# Altium PCB IMX6 DEV BOARD.PcbDoc (part 1 of 12) (continued)
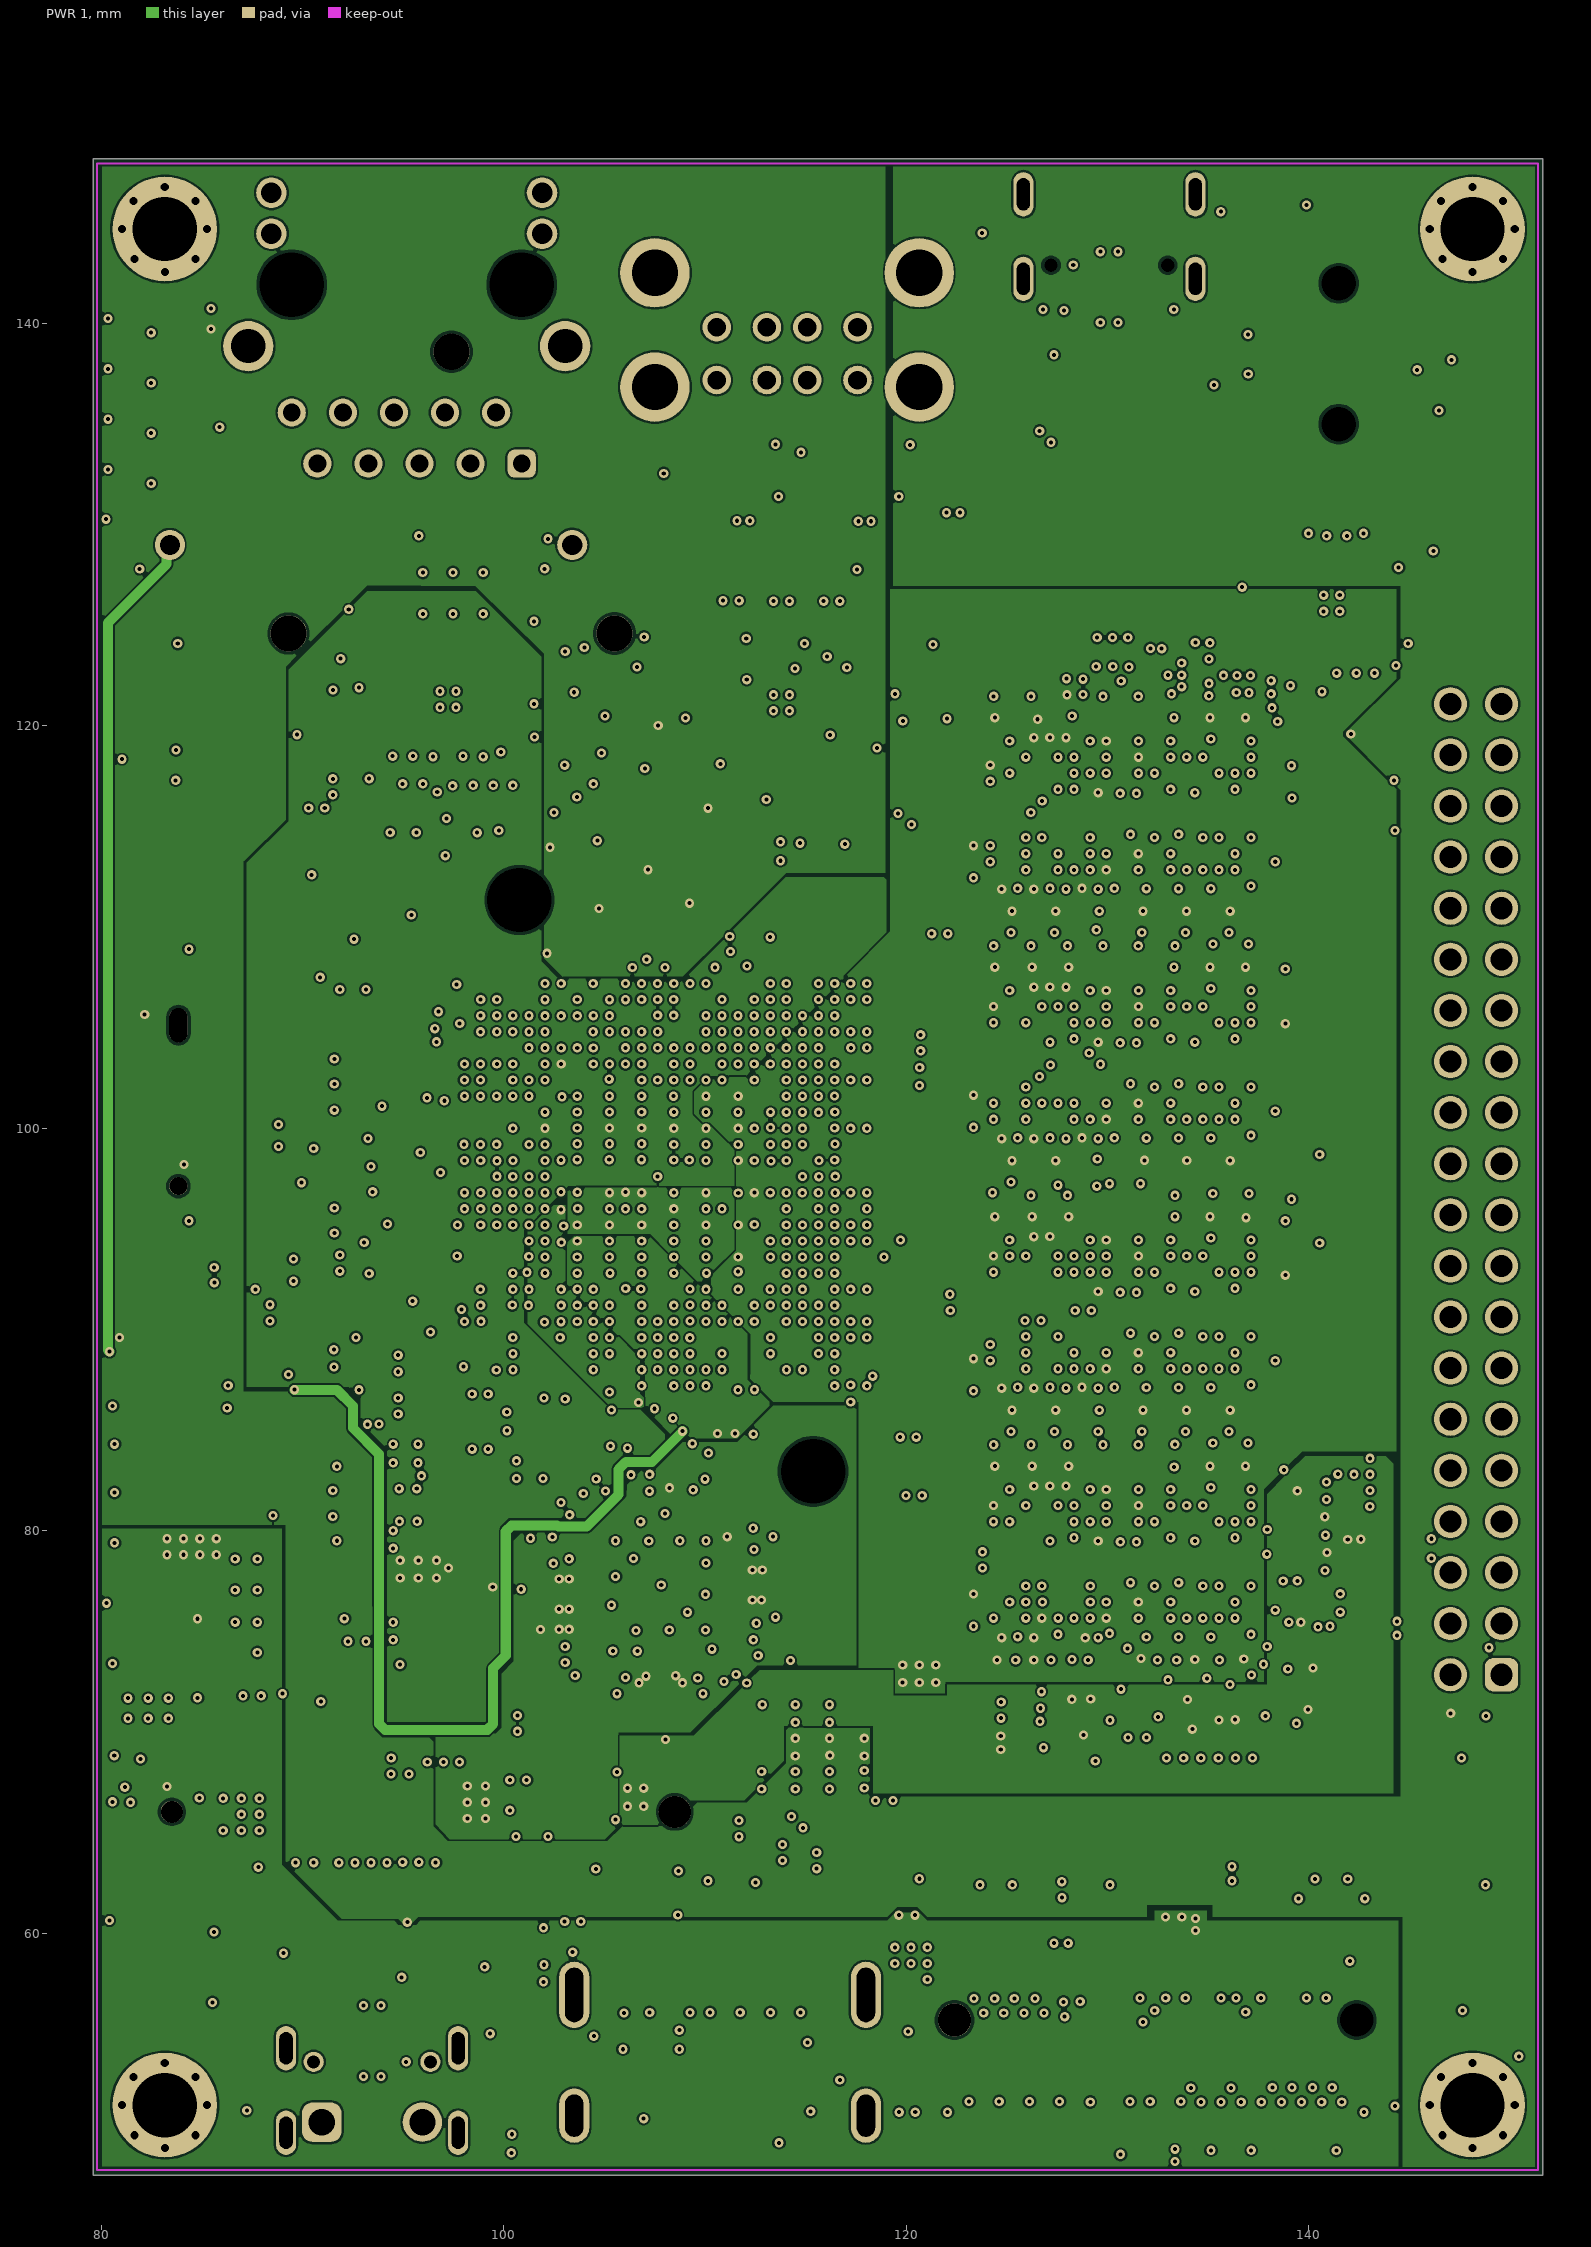
[diagram p4: PWR 1]
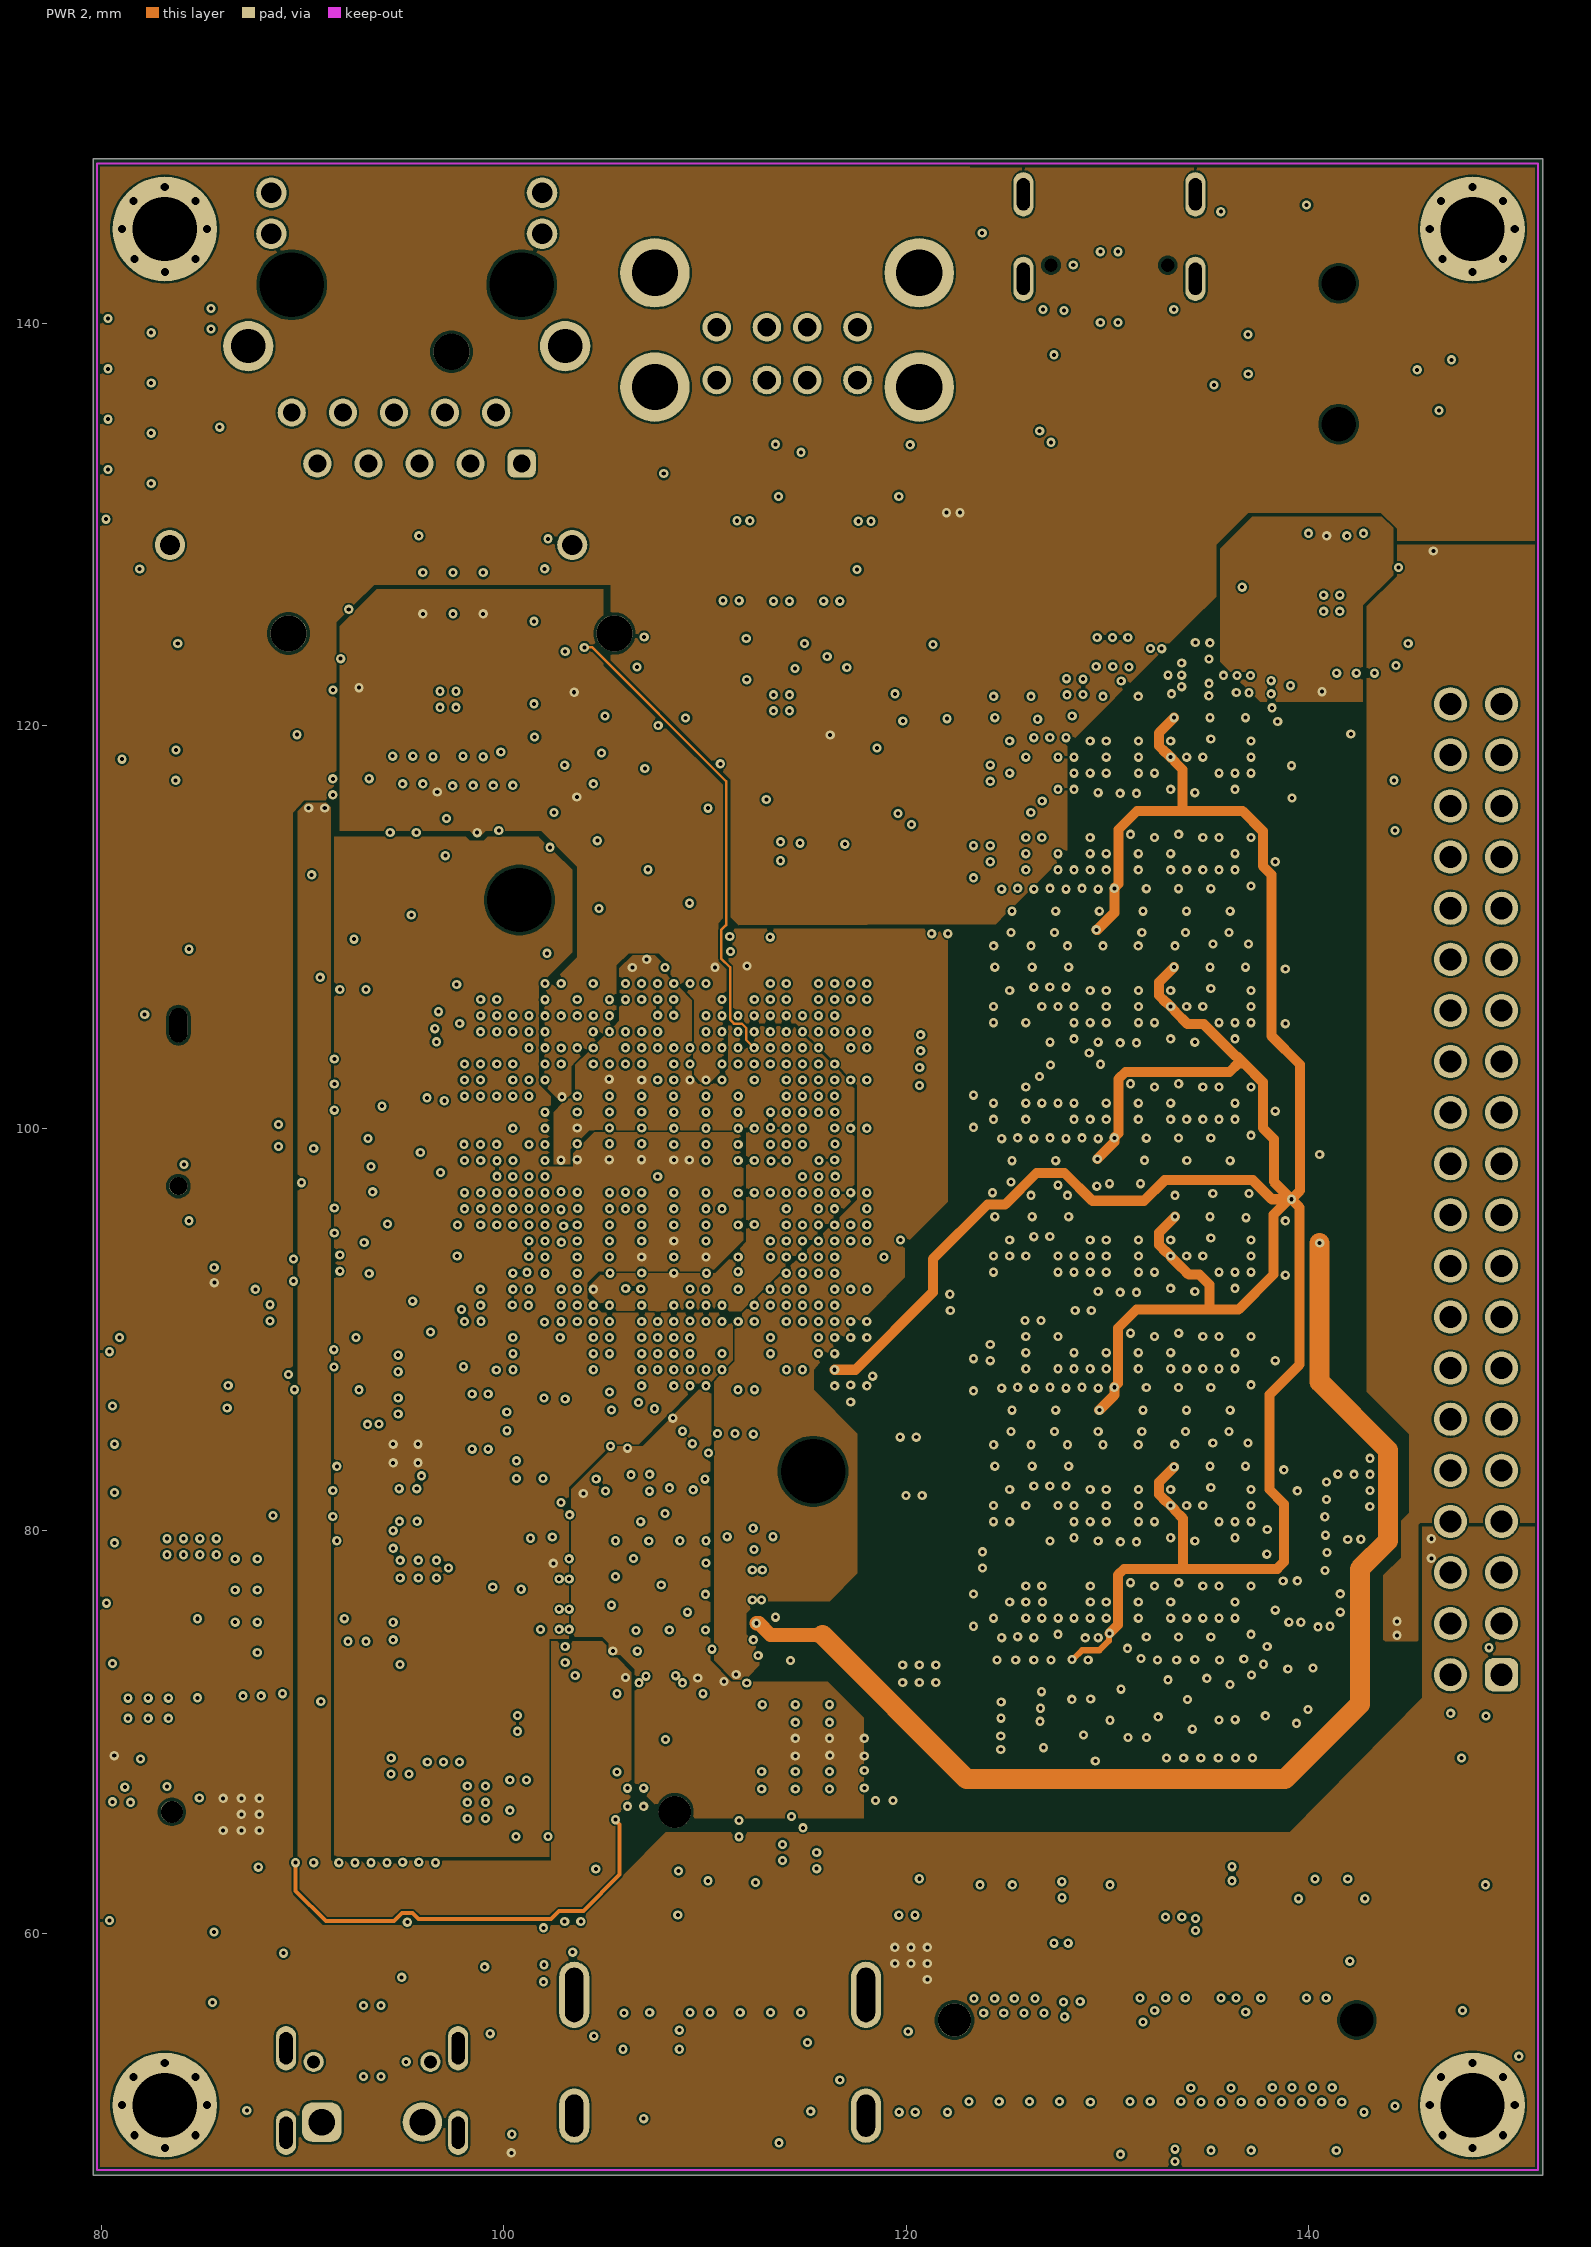
[diagram p5: PWR 2]
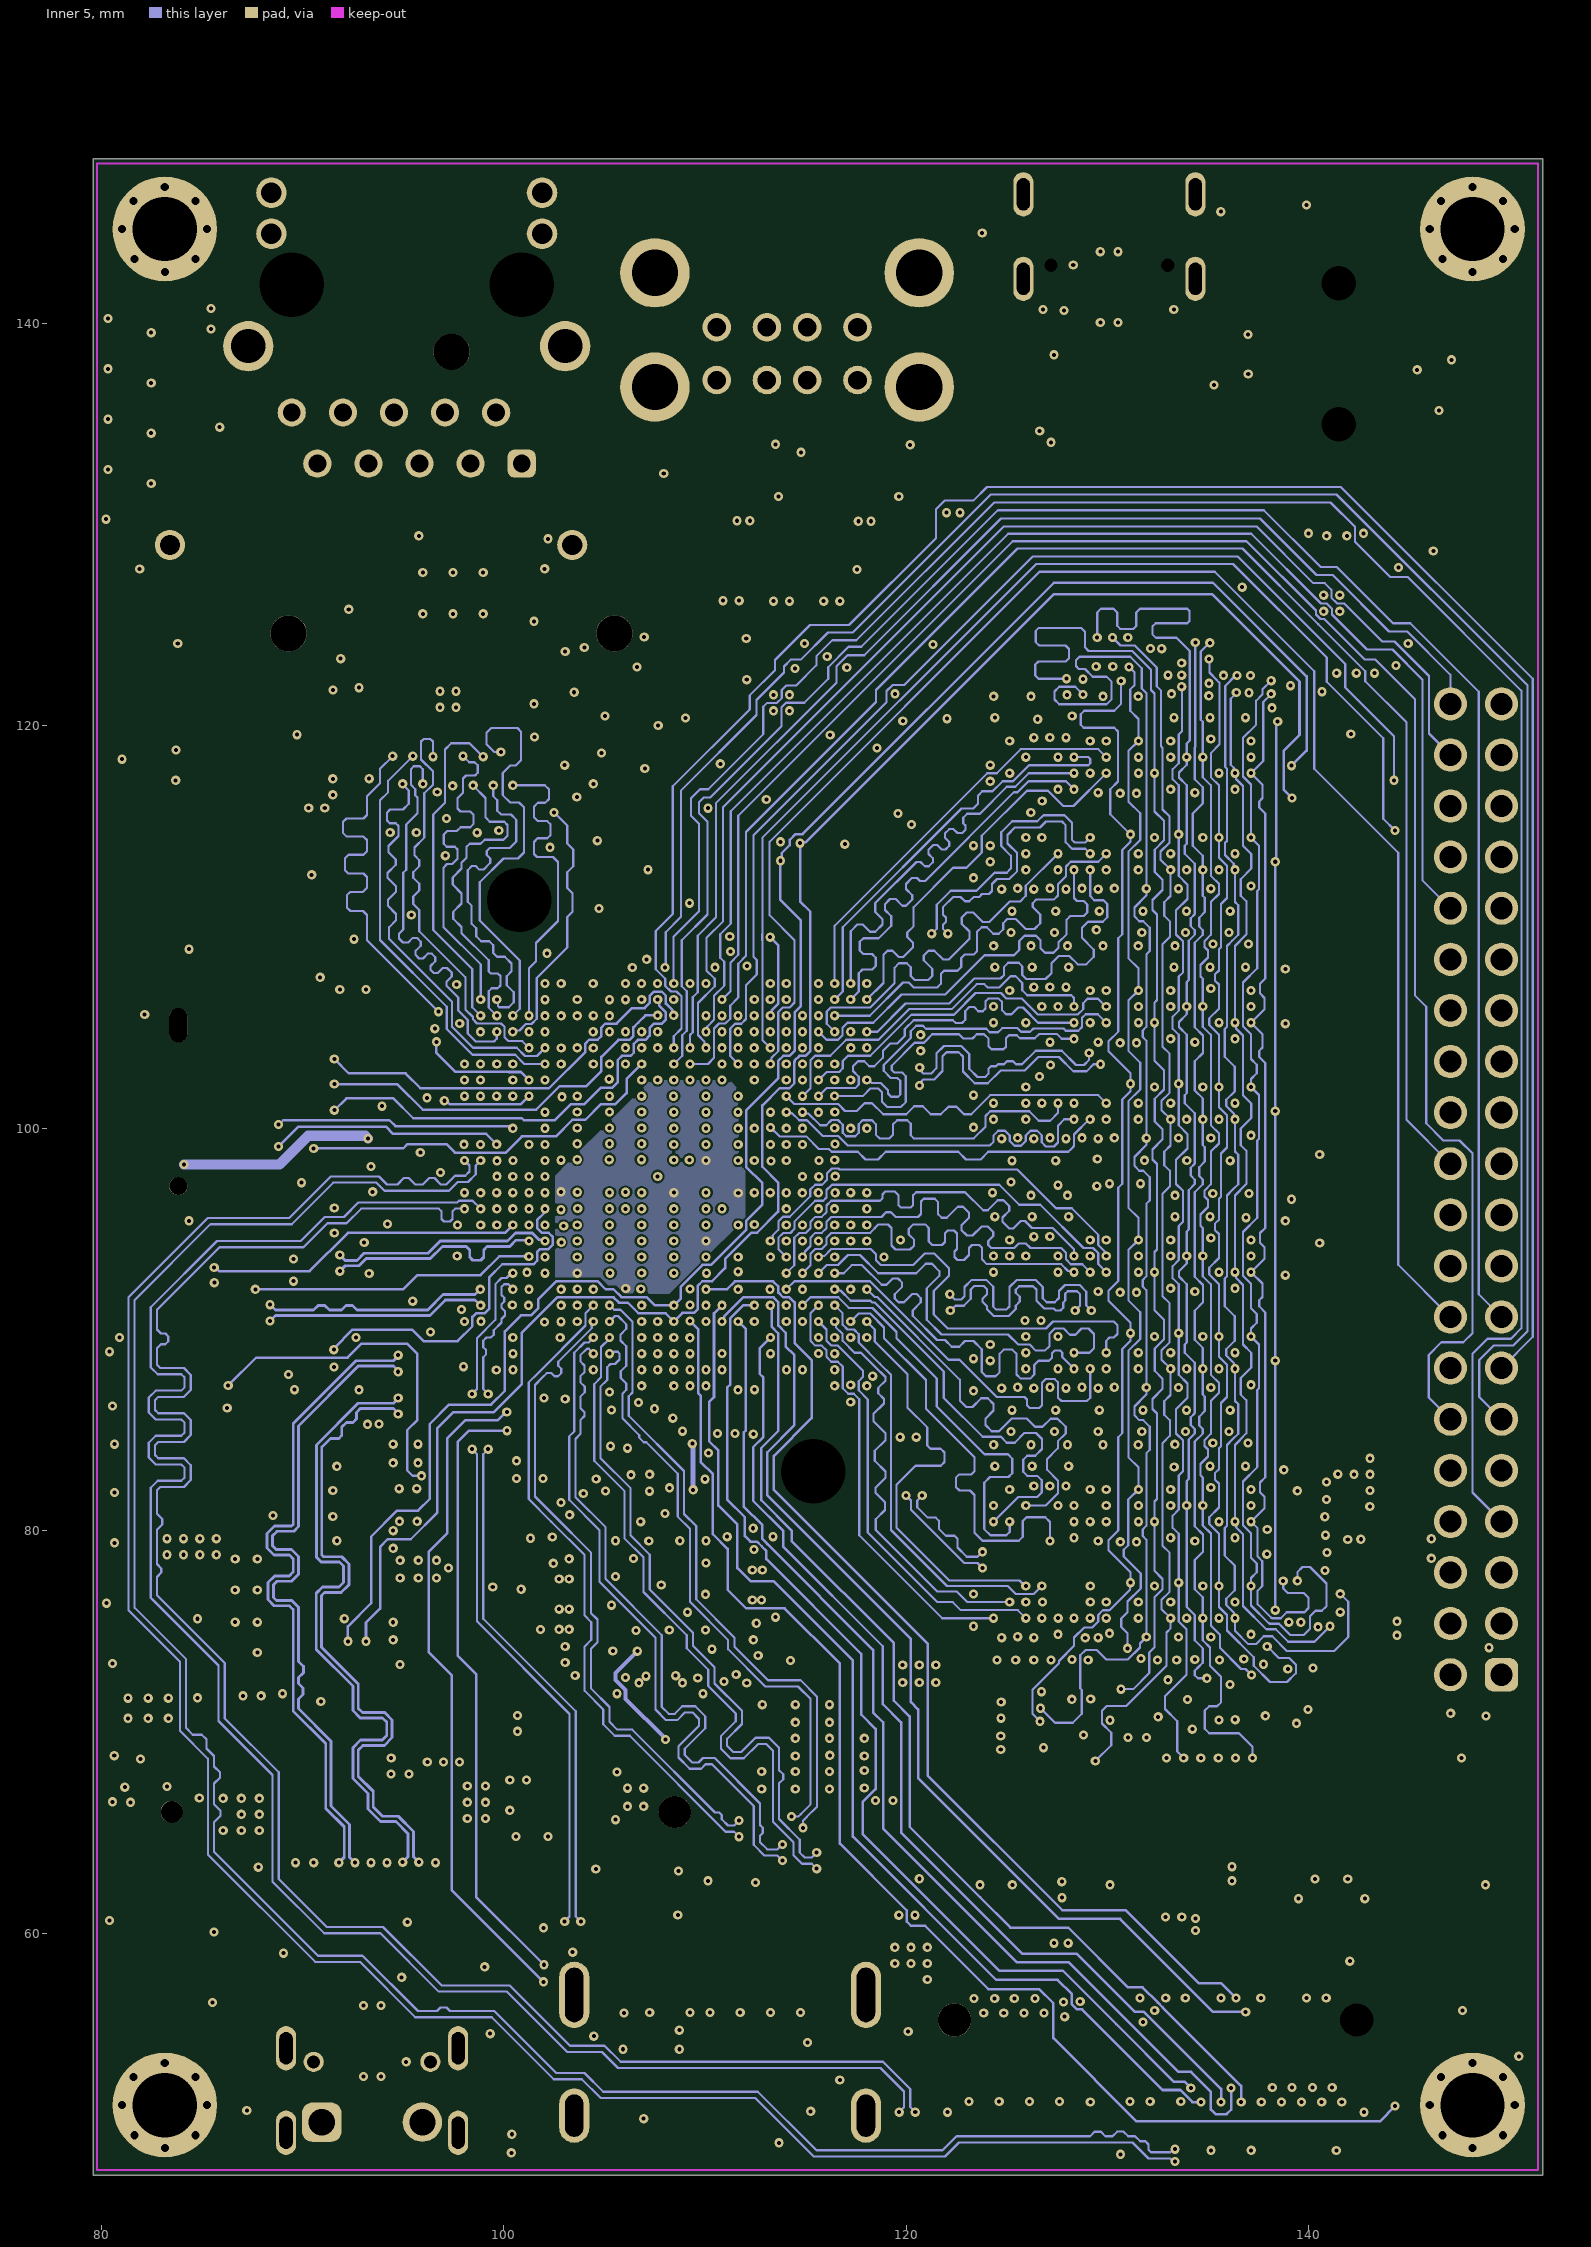
[diagram p6: Inner 5]